# Allegro board 1151864-PCIE3_0_X16-166-20240802_20240815_2000_pcb.brd (continued)
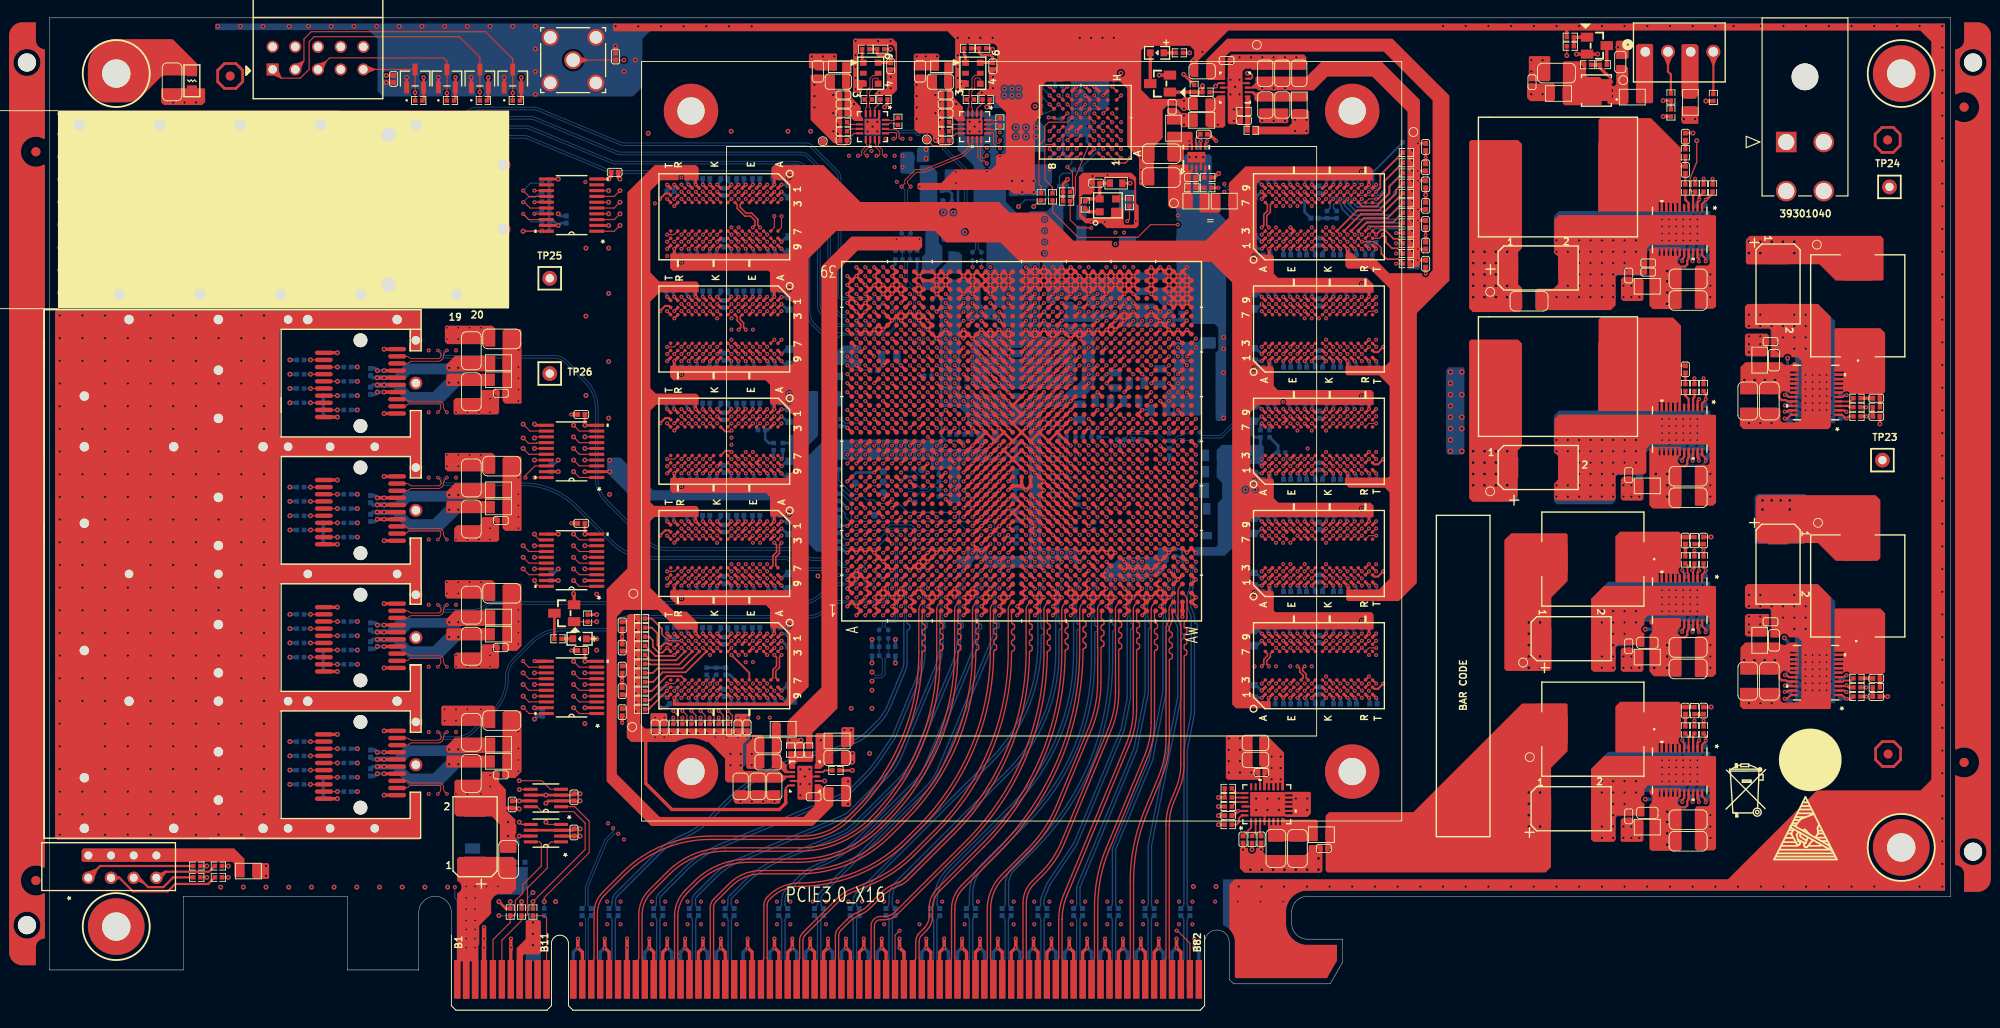
[diagram p0: board, top side]
## Routing (per net, layer and track width the routed paths; a pad name or vN(x,y) marks a point on that pad's centre or on a via; arc(x,y) is an arc through that point) (continued)
FPGA_SFP_CLK_156P25M_N: length 1.5
  TOP w0.127: U1.N6 v1(101.32,49.23)
  BOTTOM w0.102: C13.2 100.83,48.74 v1(101.32,49.23)
FPGA_SFP_CLK_156P25M_P: length 1.4
  TOP w0.127: U1.N7 v1(101.32,50.23)
  BOTTOM w0.102: C12.2 100.85,49.76 v1(101.32,50.23)
FPGA_SFP_RX_0_N: length 105.4
  TOP w0.102: P1.A12 39.68,67.64 arc(39.85,67.67) 39.99,67.77 40,67.78 arc(40.15,67.88) 40.31,67.91 43.65,67.91 arc(43.71,67.9) 43.76,67.87 43.77,67.85 arc(43.8,67.8) 43.81,67.75 43.81,67.52 arc(43.77,67.32) 43.66,67.14 v4(43.48,66.97)
  TOP w0.127: U1.B3 v1(90.32,46.23)
  ART12 w0.084: v1(90.32,46.23) 90.32,46.54 arc(90.29,46.61) 90.23,46.64 90.21,46.64 arc(90.12,46.62) 90.05,46.57 90.02,46.54 arc(89.96,46.44) 89.93,46.33 89.93,43.88 arc(89.94,43.84) 89.97,43.8 89.98,43.79 arc(90,43.75) 90.01,43.71 90.01,37.68 arc(89.99,37.43) 89.92,37.19 88.2,33.05 arc(88.15,32.87) 88.13,32.69 88.13,25.74 arc(88.03,25.25) 87.76,24.84 85.59,22.67 arc(85.18,22.4) 84.69,22.3 72.23,22.3 arc(68.62,23.02) 65.56,25.06 57.6,33.02 arc(56.88,34.1) 56.63,35.37 56.63,43.67 arc(56.56,44.02) 56.36,44.32 50.95,49.73 arc(50.68,50.14) 50.58,50.62 50.58,59.39 arc(50.2,61.32) 49.1,62.96 48.69,63.37 arc(47.56,64.12) 46.23,64.39 45.87,64.39 arc(44.42,64.99) 43.82,66.44 43.82,66.81 arc(43.77,66.92) 43.66,66.97 v4(43.48,66.97)
FPGA_SFP_RX_0_P: length 105.5
  TOP w0.102: v4(44.5,66.97) 44.3,67.17 arc(44.16,67.38) 44.11,67.63 44.11,67.75 arc(44.08,67.92) 43.98,68.06 43.96,68.08 arc(43.82,68.17) 43.65,68.2 40.3,68.2 arc(40.15,68.23) 40.03,68.31 40.02,68.33 arc(39.9,68.41) 39.75,68.44 P1.A13
  TOP w0.127: U1.B4 v1(90.32,47.23)
  ART12 w0.084: v1(90.32,47.23) 90.32,46.91 arc(90.3,46.85) 90.24,46.82 90.21,46.82 arc(90.05,46.79) 89.92,46.7 89.89,46.67 arc(89.78,46.51) 89.75,46.33 89.75,43.88 arc(89.74,43.84) 89.71,43.8 89.7,43.79 arc(89.68,43.75) 89.67,43.71 89.67,43.48 arc(89.64,43.43) 89.59,43.4 arc(89.53,43.38) 89.51,43.33 89.51,43.15 arc(89.53,43.09) 89.59,43.07 arc(89.64,43.05) 89.67,42.99 89.67,42.81 arc(89.64,42.76) 89.59,42.73 arc(89.53,42.71) 89.51,42.65 89.51,42.48 arc(89.53,42.42) 89.59,42.4 arc(89.64,42.38) 89.67,42.32 89.67,37.68 arc(89.65,37.5) 89.6,37.33 87.88,33.18 arc(87.81,32.94) 87.78,32.69 87.78,25.74 arc(87.71,25.38) 87.51,25.08 85.34,22.92 arc(85.04,22.72) 84.69,22.65 72.23,22.65 arc(68.75,23.34) 65.8,25.31 57.85,33.26 arc(57.2,34.23) 56.97,35.37 56.97,43.67 arc(56.88,44.16) 56.6,44.57 51.2,49.97 arc(51,50.27) 50.93,50.62 50.93,59.39 arc(50.52,61.45) 49.35,63.2 48.93,63.62 arc(47.69,64.44) 46.23,64.73 45.87,64.73 arc(44.67,65.23) 44.17,66.44 44.17,66.81 arc(44.21,66.92) 44.32,66.97 v4(44.5,66.97)
FPGA_SFP_RX_1_N: length 96.4
  TOP w0.102: v4(43.48,52.72) 43.66,52.89 arc(43.77,53.07) 43.81,53.27 43.81,53.5 arc(43.8,53.55) 43.77,53.6 43.76,53.62 arc(43.71,53.65) 43.65,53.66 40.36,53.66 arc(40.2,53.63) 40.05,53.53 40.04,53.52 arc(39.9,53.42) 39.73,53.39 P1.B12
  TOP w0.127: U1.C1 v1(91.32,44.23)
  ART12 w0.084: v1(91.32,44.23) 91.24,44.23 arc(91.19,44.21) 91.17,44.15 91.17,43.67 arc(91.2,43.6) 91.27,43.57 arc(91.33,43.54) 91.36,43.47 91.36,43.33 arc(91.33,43.26) 91.27,43.23 arc(91.2,43.21) 91.17,43.14 91.17,43 arc(91.2,42.93) 91.27,42.9 arc(91.33,42.87) 91.36,42.8 91.36,42.66 arc(91.33,42.59) 91.27,42.56 arc(91.2,42.54) 91.17,42.47 91.17,23.54 arc(91.07,23.06) 90.79,22.65 89.32,21.17 arc(88.91,20.9) 88.42,20.8 73.03,20.8 arc(67.88,21.83) 63.51,24.74 56.01,32.24 arc(55.62,32.83) 55.48,33.53 55.48,42.78 arc(55.41,43.13) 55.21,43.43 48.7,49.94 arc(48.4,50.15) 48.05,50.22 45.09,50.22 arc(44.19,50.59) 43.82,51.49 43.82,52.63 arc(43.8,52.69) 43.74,52.72 v4(43.48,52.72)
FPGA_SFP_RX_1_P: length 96.4
  TOP w0.102: P1.B13 39.83,54.19 arc(39.97,54.16) 40.1,54.08 40.11,54.06 arc(40.23,53.98) 40.37,53.95 43.65,53.95 arc(43.82,53.92) 43.96,53.83 43.98,53.81 arc(44.08,53.67) 44.11,53.5 44.11,53.38 arc(44.16,53.13) 44.3,52.92 v4(44.5,52.72)
  TOP w0.127: U1.C2 v1(91.32,45.23)
  ART12 w0.084: v4(44.5,52.72) 44.25,52.72 arc(44.19,52.69) 44.17,52.63 44.17,51.49 arc(44.44,50.83) 45.09,50.56 48.05,50.56 arc(48.53,50.46) 48.95,50.19 55.46,43.68 arc(55.73,43.27) 55.83,42.78 55.83,33.53 arc(55.94,32.96) 56.26,32.49 63.76,24.99 arc(68.01,22.15) 73.03,21.15 88.42,21.15 arc(88.78,21.22) 89.08,21.42 90.55,22.89 arc(90.75,23.19) 90.82,23.54 90.82,44.38 arc(90.88,44.7) 91.07,44.97 v1(91.32,45.23)
FPGA_SFP_RX_2_N: length 87.8
  TOP w0.102: P1.C12 39.9,39.14 arc(40.07,39.17) 40.22,39.27 40.23,39.28 arc(40.37,39.38) 40.54,39.41 43.65,39.41 arc(43.71,39.4) 43.76,39.37 43.77,39.35 arc(43.8,39.3) 43.81,39.25 43.81,39.02 arc(43.77,38.82) 43.66,38.64 v4(43.48,38.47)
  TOP w0.127: U1.E1 v1(93.32,44.23)
  ART12 w0.084: v4(43.48,38.47) 43.74,38.47 arc(43.8,38.44) 43.82,38.38 43.82,37.71 arc(44.11,37) 44.82,36.7 46.58,36.7 arc(48.08,36.4) 49.35,35.56 63.28,21.63 arc(66.01,19.8) 69.23,19.16 88.33,19.16 arc(90.04,19.5) 91.49,20.47 91.93,20.91 arc(92.84,22.28) 93.17,23.9 93.17,43.08 arc(93.22,43.2) 93.33,43.25 arc(93.45,43.3) 93.5,43.41 93.5,43.42 arc(93.45,43.54) 93.33,43.58 arc(93.22,43.63) 93.17,43.75 93.17,44.15 arc(93.19,44.21) 93.24,44.23 v1(93.32,44.23)
FPGA_SFP_RX_2_P: length 87.9
  TOP w0.102: v4(44.5,38.47) 44.3,38.67 arc(44.16,38.88) 44.11,39.13 44.11,39.25 arc(44.08,39.42) 43.98,39.56 43.96,39.58 arc(43.82,39.67) 43.65,39.7 40.5,39.7 arc(40.36,39.73) 40.24,39.81 40.22,39.83 arc(40.1,39.91) 39.96,39.94 P1.C13
  TOP w0.127: U1.E2 v1(93.32,45.23)
  ART12 w0.084: v1(93.32,45.23) 93.07,44.97 arc(92.88,44.7) 92.82,44.38 92.82,23.9 arc(92.53,22.41) 91.68,21.15 91.24,20.71 arc(89.91,19.82) 88.33,19.51 69.23,19.51 arc(66.14,20.12) 63.52,21.87 49.59,35.8 arc(48.21,36.72) 46.58,37.05 44.82,37.05 arc(44.36,37.24) 44.17,37.71 44.17,38.38 arc(44.19,38.44) 44.25,38.47 v4(44.5,38.47)
FPGA_SFP_RX_3_N: length 87.1
  TOP w0.102: v4(43.48,24.22) 43.66,24.39 arc(43.77,24.57) 43.81,24.77 43.81,25 arc(43.8,25.05) 43.77,25.1 43.76,25.12 arc(43.71,25.15) 43.65,25.16 40.52,25.16 arc(40.35,25.13) 40.2,25.03 40.19,25.02 arc(40.05,24.92) 39.88,24.89 P1.D12
  TOP w0.127: U1.G1 v1(95.32,44.23)
  ART12 w0.084: v1(95.32,44.23) 95.23,44.23 arc(95.17,44.2) 95.15,44.14 95.15,43.53 arc(95.17,43.26) 95.25,43.01 95.33,42.81 arc(95.42,42.72) 95.55,42.72 arc(95.67,42.72) 95.76,42.64 95.76,42.63 arc(95.76,42.5) 95.67,42.41 arc(95.59,42.33) 95.59,42.2 95.69,41.94 95.7,41.92 95.79,41.7 95.79,41.67 95.89,41.2 arc(95.9,41.07) 95.91,40.95 95.91,24.07 arc(95.53,22.15) 94.44,20.53 93.28,19.37 arc(90.72,17.66) 87.69,17.05 51.58,17.05 arc(49.51,17.47) 47.75,18.64 44.19,22.2 arc(43.92,22.61) 43.82,23.1 43.82,24.13 arc(43.8,24.19) 43.74,24.22 v4(43.48,24.22)
FPGA_SFP_RX_3_P: length 87.1
  TOP w0.102: P1.D13 39.96,25.69 arc(40.1,25.66) 40.22,25.58 40.24,25.56 arc(40.36,25.48) 40.5,25.45 43.65,25.45 arc(43.82,25.42) 43.96,25.33 43.98,25.31 arc(44.08,25.17) 44.11,25 44.11,24.88 arc(44.16,24.63) 44.3,24.42 v4(44.5,24.22)
  TOP w0.127: U1.G2 v1(95.32,45.23)
  ART12 w0.084: v1(95.32,45.23) 95.06,44.96 arc(94.87,44.68) 94.8,44.35 94.8,43.53 arc(94.84,43.19) 94.93,42.87 95.37,41.82 95.38,41.8 95.44,41.66 95.45,41.63 95.55,41.13 arc(95.56,41.04) 95.56,40.95 95.56,24.07 arc(95.21,22.29) 94.2,20.77 93.04,19.61 arc(90.59,17.97) 87.69,17.4 51.58,17.4 arc(49.64,17.78) 48,18.88 44.44,22.44 arc(44.24,22.74) 44.17,23.1 44.17,24.13 arc(44.19,24.19) 44.25,24.22 v4(44.5,24.22)
FPGA_SFP_TX_0_N: length 68.9
  TOP w0.102: v4(43.48,73.9) 43.72,73.67 arc(43.81,73.54) 43.84,73.37 43.84,73.3 arc(43.82,73.19) 43.76,73.09 43.73,73.07 arc(43.64,73.01) 43.52,72.98 40.58,72.98 arc(40.42,73.02) 40.29,73.1 40.27,73.12 arc(40.14,73.21) 39.99,73.24 P1.A19
  TOP w0.127: U1.A6 v1(89.32,49.23)
  BOTTOM w0.102: v1(89.32,49.23) 89.32,49.48 arc(89.29,49.55) 89.22,49.58 89,49.58 arc(88.71,49.64) 88.46,49.81 88.18,50.08 arc(88.1,50.16) 88.01,50.22 arc(87.76,50.33) 87.49,50.37 85.48,50.37 arc(84.99,50.46) 84.58,50.74 84.09,51.23 arc(83.88,51.39) 83.62,51.49 arc(83.59,51.49) 83.57,51.5 arc(83.49,51.51) 83.41,51.51 69,51.51 arc(67.86,51.71) 66.86,52.3 arc(66.75,52.39) 66.66,52.48 62.21,56.93 arc(61.41,58.14) 61.12,59.56 61.12,67.43 arc(60.81,69) 59.92,70.33 57.67,72.58 arc(57.17,72.92) 56.57,73.04 44.29,73.04 arc(43.98,73.17) 43.85,73.48 43.85,73.8 arc(43.82,73.88) 43.74,73.9 v4(43.48,73.9)
FPGA_SFP_TX_0_P: length 68.9
  TOP w0.102: P1.A18 39.99,72.44 arc(40.14,72.47) 40.27,72.56 40.29,72.57 arc(40.42,72.66) 40.57,72.69 43.52,72.69 arc(43.75,72.73) 43.94,72.86 43.96,72.88 arc(44.09,73.07) 44.14,73.3 44.14,73.31 arc(44.18,73.52) 44.3,73.7 v4(44.5,73.9)
  TOP w0.127: U1.A7 v1(89.32,50.23)
  BOTTOM w0.102: v4(44.5,73.9) 44.24,73.9 arc(44.17,73.88) 44.14,73.8 44.14,73.48 arc(44.18,73.37) 44.29,73.33 56.57,73.33 arc(57.28,73.19) 57.88,72.79 60.13,70.54 arc(61.08,69.11) 61.42,67.43 61.42,59.56 arc(61.68,58.25) 62.42,57.14 66.87,52.69 arc(66.95,52.61) 67.05,52.53 arc(67.96,51.99) 69,51.81 83.41,51.81 arc(83.51,51.8) 83.62,51.79 arc(83.65,51.78) 83.68,51.77 arc(83.73,51.76) 83.77,51.75 arc(84.06,51.63) 84.3,51.43 84.79,50.95 arc(85.11,50.74) 85.48,50.66 87.49,50.66 arc(87.98,50.57) 88.39,50.29 88.67,50.01 arc(88.82,49.91) 89,49.88 89.22,49.88 arc(89.29,49.91) 89.32,49.98 v1(89.32,50.23)
FPGA_SFP_TX_1_N: length 59.4
  TOP w0.102: v4(43.48,59.65) 43.72,59.42 arc(43.81,59.29) 43.84,59.12 43.84,59.05 arc(43.82,58.94) 43.76,58.84 43.73,58.82 arc(43.64,58.76) 43.52,58.73 40.58,58.73 arc(40.42,58.77) 40.29,58.85 40.27,58.87 arc(40.14,58.96) 39.99,58.99 P1.B19
  TOP w0.127: U1.C6 v1(91.32,49.23)
  BOTTOM w0.102: v1(91.32,49.23) 91.32,49.53 arc(91.29,49.6) 91.22,49.63 91.08,49.63 arc(90.97,49.58) 90.92,49.48 90.92,49.13 arc(90.78,48.77) 90.42,48.63 88.8,48.63 88.75,48.58 88.41,48.58 arc(88.16,48.61) 87.92,48.68 86.76,49.16 arc(86.57,49.22) 86.38,49.24 85.17,49.24 arc(84.34,49.39) 83.62,49.84 arc(83.58,49.87) 83.54,49.91 83.54,49.91 arc(83.48,49.97) 83.43,50.02 arc(82.82,50.37) 82.13,50.5 67.23,50.5 arc(67.04,50.5) 66.86,50.51 arc(64.71,51.04) 62.89,52.29 58.82,56.36 arc(56.16,58.14) 53.03,58.76 44.43,58.76 arc(44.02,58.93) 43.85,59.34 43.85,59.55 arc(43.82,59.63) 43.74,59.65 v4(43.48,59.65)
FPGA_SFP_TX_1_P: length 59.4
  TOP w0.102: v4(44.5,59.65) 44.3,59.45 arc(44.18,59.27) 44.14,59.06 44.14,59.05 arc(44.09,58.82) 43.96,58.63 43.94,58.61 arc(43.75,58.48) 43.52,58.44 40.57,58.44 arc(40.42,58.41) 40.29,58.32 40.27,58.31 arc(40.14,58.22) 39.99,58.19 38.93,58.19 P1.B18
  TOP w0.127: U1.C7 v1(91.32,50.23)
  BOTTOM w0.102: v4(44.5,59.65) 44.24,59.65 arc(44.17,59.63) 44.14,59.55 44.14,59.34 arc(44.22,59.14) 44.43,59.05 53.03,59.05 arc(56.27,58.41) 59.02,56.57 63.09,52.5 arc(64.82,51.31) 66.86,50.8 arc(66.86,50.8) 66.87,50.8 arc(67.05,50.79) 67.23,50.79 82.13,50.79 arc(82.92,50.65) 83.62,50.24 arc(83.69,50.18) 83.75,50.12 83.75,50.12 arc(83.78,50.09) 83.82,50.05 arc(84.45,49.67) 85.17,49.53 86.38,49.53 arc(86.63,49.51) 86.87,49.43 88.01,48.96 88.04,48.95 arc(88.22,48.89) 88.41,48.88 88.75,48.88 88.8,48.83 90.42,48.83 arc(90.63,48.92) 90.72,49.13 90.72,49.48 arc(90.82,49.73) 91.08,49.83 91.22,49.83 arc(91.29,49.86) 91.32,49.93 v1(91.32,50.23)
FPGA_SFP_TX_2_N: length 57.3
  TOP w0.102: P1.C19 39.99,44.74 arc(40.14,44.71) 40.27,44.62 40.29,44.6 arc(40.42,44.52) 40.58,44.48 43.52,44.48 arc(43.64,44.51) 43.73,44.57 43.76,44.59 arc(43.82,44.69) 43.84,44.8 43.84,44.87 arc(43.81,45.04) 43.72,45.17 v4(43.48,45.41)
  TOP w0.127: U1.D4 v1(92.32,47.23)
  BOTTOM w0.102: v4(43.48,45.41) 43.74,45.41 arc(43.82,45.38) 43.85,45.3 43.85,44.98 arc(43.96,44.7) 44.24,44.59 47.51,44.59 arc(48.27,44.74) 48.91,45.17 arc(49.23,45.38) 49.6,45.45 84.11,45.45 arc(85.39,45.71) 86.48,46.43 86.98,46.94 arc(87.13,47.06) 87.3,47.15 88.01,47.45 88.16,47.51 arc(88.33,47.56) 88.51,47.58 88.82,47.58 88.87,47.63 92.22,47.63 arc(92.29,47.6) 92.32,47.53 v1(92.32,47.23)
FPGA_SFP_TX_2_P: length 57.3
  TOP w0.102: P1.C18 38.93,43.94 39.99,43.94 arc(40.14,43.97) 40.27,44.06 40.29,44.07 arc(40.42,44.16) 40.57,44.19 43.52,44.19 arc(43.75,44.23) 43.94,44.36 43.96,44.38 arc(44.09,44.57) 44.14,44.8 44.14,44.81 arc(44.18,45.02) 44.3,45.2 v4(44.5,45.41)
  TOP w0.127: U1.D5 v1(92.32,48.23)
  BOTTOM w0.102: v4(44.5,45.41) 44.24,45.41 arc(44.17,45.38) 44.14,45.3 44.14,44.98 arc(44.17,44.91) 44.24,44.88 47.51,44.88 arc(48.15,45.01) 48.7,45.38 arc(49.12,45.65) 49.6,45.75 84.11,45.75 arc(85.28,45.98) 86.27,46.64 86.78,47.15 arc(86.97,47.31) 87.19,47.43 87.62,47.61 88.05,47.79 arc(88.28,47.85) 88.51,47.88 88.82,47.88 88.87,47.83 92.22,47.83 arc(92.29,47.86) 92.32,47.93 v1(92.32,48.23)
FPGA_SFP_TX_3_N: length 67.5
  TOP w0.102: v4(43.48,31.15) 43.72,30.92 arc(43.81,30.79) 43.84,30.62 43.84,30.55 arc(43.82,30.44) 43.76,30.34 43.73,30.32 arc(43.64,30.26) 43.52,30.23 40.58,30.23 arc(40.42,30.27) 40.29,30.35 40.27,30.37 arc(40.14,30.46) 39.99,30.49 P1.D19
  TOP w0.127: U1.F4 v1(94.32,47.23)
  BOTTOM w0.102: v4(43.48,31.15) 43.74,31.15 arc(43.82,31.13) 43.85,31.05 43.85,30.73 arc(43.96,30.45) 44.25,30.33 45.43,30.33 arc(46.62,30.57) 47.64,31.24 49.87,33.48 arc(50.97,35.13) 51.36,37.07 51.36,37.35 51.36,37.35 arc(51.55,38.3) 52.09,39.11 54.1,41.12 arc(55.6,42.13) 57.38,42.48 62.22,42.48 arc(62.71,42.58) 63.12,42.85 63.53,43.26 arc(64.26,43.75) 65.11,43.92 84.97,43.92 arc(86.08,44.14) 87.02,44.76 87.55,45.3 arc(87.86,45.51) 88.23,45.58 88.65,45.58 88.69,45.63 93.44,45.63 arc(93.78,45.77) 93.92,46.11 93.92,47.48 arc(93.97,47.58) 94.07,47.63 94.22,47.63 arc(94.29,47.6) 94.32,47.53 v1(94.32,47.23)
FPGA_SFP_TX_3_P: length 67.5
  TOP w0.102: v4(44.5,31.15) 44.3,30.95 arc(44.18,30.77) 44.14,30.56 44.14,30.55 arc(44.09,30.32) 43.96,30.13 43.94,30.11 arc(43.75,29.98) 43.52,29.94 40.57,29.94 arc(40.42,29.91) 40.29,29.82 40.27,29.81 arc(40.14,29.72) 39.99,29.69 P1.D18
  TOP w0.127: U1.F5 v1(94.32,48.23)
  BOTTOM w0.102: v4(44.5,31.15) 44.24,31.15 arc(44.17,31.13) 44.14,31.05 44.14,30.73 arc(44.17,30.65) 44.25,30.62 45.43,30.62 arc(46.51,30.84) 47.43,31.45 49.66,33.69 arc(50.7,35.24) 51.06,37.07 51.06,37.55 51.07,37.55 arc(51.32,38.51) 51.88,39.32 53.89,41.33 arc(55.49,42.4) 57.38,42.77 62.22,42.77 arc(62.6,42.85) 62.91,43.06 63.32,43.47 arc(64.14,44.02) 65.11,44.21 84.97,44.21 arc(85.96,44.41) 86.81,44.97 87.43,45.6 arc(87.7,45.78) 88.01,45.87 arc(88.06,45.88) 88.11,45.88 88.65,45.88 88.69,45.83 93.44,45.83 arc(93.64,45.91) 93.72,46.11 93.72,47.48 arc(93.82,47.73) 94.07,47.83 94.22,47.83 arc(94.29,47.86) 94.32,47.93 v1(94.32,48.23)
FPGA_TCK: length 173.6
  TOP w0.127: U1.Y10 v1(109.32,53.23) ; J1.1 25.96,104.41 28.09,104.41 29.08,105.4 29.08,108.48 29.64,109.04 45.87,109.04 48.18,106.73 D4.3 v2(48.18,102.84) R10.2
  ART10 w0.086: v2(48.18,102.84) 48.69,103.35 52.48,103.35 61.21,94.61 61.21,47.55 60.68,47.02 60.68,40.01 61.34,39.34 61.34,35.86 65.33,31.88 81.36,31.88 81.97,32.49 97.42,32.49 107.86,42.93 107.86,51.77 v1(109.32,53.23)
FPGA_TDI: length 162
  TOP w0.127: R7.2 v2(40.94,102.79) D1.3 40.94,105.38 J1.9 ; U1.AC9 v1(112.32,52.23)
  ART10 w0.086: v1(112.32,52.23) 112.32,52 112.74,51.59 112.74,50.93 112.58,50.77 112.04,50.77 111.93,50.67 111.93,43.21 99.43,30.71 87.91,30.71 87.55,31.06 61.8,31.06 59.26,33.6 59.26,94.65 53.48,100.43 48.23,100.43 45.34,103.33 41.48,103.33 v2(40.94,102.79)
FPGA_TDO: length 171.2
  TOP w0.127: U1.Y9 v1(109.32,52.23) ; R9.2 v2(51.87,102.74) D3.3 51.87,106.55 48.82,109.6 29.31,109.6 28.5,108.79 28.5,106.34 J1.3
  ART10 w0.086: v1(109.32,52.23) 108.91,51.82 108.91,42.91 98.08,32.08 82.17,32.08 81.53,31.45 62.15,31.45 60.76,32.84 60.76,39.34 60.1,40.01 60.1,47.19 60.76,47.85 60.76,93.85 v2(51.87,102.74)
FPGA_TMS: length 171.8
  TOP w0.127: R8.2 v2(44.5,102.72) D2.3 44.5,106.31 44.15,106.67 31.37,106.67 J1.5 ; U1.AD10 v1(113.32,53.23)
  ART10 w0.086: v2(44.5,102.72) 47.24,99.97 53.05,99.97 57.91,95.11 57.91,33.35 61.77,29.49 99.38,29.49 112.9,43.02 112.9,50.55 113.08,50.72 113.56,50.72 113.73,50.89 113.73,52.88 113.38,53.23 v1(113.32,53.23)
FPGA_VCCINT_0V85: length 207
  TOP w0.305: U1.W24 U1.Y25 v1(109.32,69.23) ; U1.W24 U1.Y23 ; U1.W24 v1(107.32,68.23) U1.V25 v1(106.32,69.23) ; U1.AF13 v1(114.32,57.23) U1.AE14 v1(113.32,58.23) U1.AD15 v1(112.32,59.23) U1.AC16 v1(111.32,60.23) U1.AB17 v1(110.32,61.23) U1.AA18 v1(109.32,62.23) U1.Y19 U1.W18 ; v1(102.32,60.23) U1.P17 v1(103.32,61.23) U1.R18 v1(104.32,62.23) U1.T19 v1(105.32,63.23) U1.U20 ; v1(114.32,66.23) U1.AE22 v1(113.32,65.23) U1.AD21 ; U1.AC20 U1.AD21 ; U1.AC20 U1.AB21 ; U1.AC20 v1(112.32,63.23) U1.AD19 v1(113.32,62.23) U1.AE18 v1(114.32,61.23) U1.AF17 v1(115.32,60.23) ; U1.AD21 U1.AE20 v1(114.32,63.23) ; U1.U20 U1.T21 ; U1.U20 U1.V21 ; v1(109.32,54.23) U1.Y11 U1.W12 ; U1.Y21 U1.W22 ; U1.Y21 U1.W20 ; U1.Y21 U1.AA20 ; U1.Y21 v1(109.32,65.23) U1.AA22 v1(110.32,66.23) U1.AB23 v1(111.32,67.23) U1.AC24 v1(112.32,68.23) U1.AD25 v1(113.32,69.23) ; U1.W22 U1.Y23 ; U1.W22 v1(107.32,66.23) U1.V23 v1(106.32,67.23) U1.U24 v1(105.32,68.23) U1.T25 v1(104.32,69.23) ; U1.Y13 v1(109.32,56.23) U1.AA12 v1(110.32,55.23) U1.AB11 v1(111.32,54.23) U1.AC10 v1(112.32,53.23) U1.AD9 v1(113.32,52.23) ; U1.Y13 U1.W12 ; U1.Y13 U1.W14 v1(107.32,57.23) U1.V13 v1(106.32,56.23) U1.U12 v1(105.32,55.23) U1.T11 v1(104.32,54.23) U1.R10 v1(103.32,53.23) ; U1.W12 v1(107.32,55.23) U1.V11 v1(106.32,54.23) U1.U10 v1(105.32,53.23) U1.T9 v1(104.32,52.23) ; U1.AF25 v1(114.32,68.23) U1.AE24 v1(113.32,67.23) U1.AD23 v1(112.32,66.23) U1.AC22 v1(111.32,65.23) U1.AB21 ; U1.V19 v1(107.32,63.23) U1.W20 ; U1.V19 v1(106.32,62.23) U1.U18 v1(105.32,61.23) U1.T17 v1(104.32,60.23) U1.R16 v1(103.32,59.23) U1.P15 v1(102.32,58.23) ; U1.V19 U1.W18 ; U1.AA20 U1.AB21 ; U1.AA20 v1(110.32,63.23) U1.AB19 v1(111.32,62.23) U1.AC18 v1(112.32,61.23) U1.AD17 v1(113.32,60.23) U1.AE16 v1(114.32,59.23) ; U1.T21 v1(104.32,65.23) U1.R22 v1(103.32,66.23) ; U1.T21 U1.R20 v1(103.32,63.23) U1.P19 v1(102.32,62.23) ; U1.Y23 v1(109.32,67.23) U1.AA24 v1(110.32,68.23) U1.AB25 v1(111.32,69.23) ; v1(109.32,60.23) U1.Y17 U1.W18 ; v1(102.32,56.23) U1.P13 v1(103.32,57.23) U1.R14 v1(104.32,58.23) U1.T15 v1(105.32,59.23) U1.U16 v1(106.32,60.23) U1.V17 v1(107.32,61.23) U1.W18 ; U1.AF11 v1(114.32,55.23) U1.AE12 v1(113.32,56.23) U1.AD13 v1(112.32,57.23) U1.AC14 ; U1.W20 U1.V21 ; v1(103.32,55.23) U1.R12 v1(104.32,56.23) U1.T13 v1(105.32,57.23) U1.U14 v1(106.32,58.23) U1.V15 ; v1(114.32,53.23) U1.AE10 v1(113.32,54.23) U1.AD11 v1(112.32,55.23) U1.AC12 v1(111.32,56.23) U1.AB13 v1(110.32,57.23) U1.AA14 ; U1.V9 v1(107.32,53.23) ; U1.V21 v1(106.32,65.23) U1.U22 v1(105.32,66.23) U1.T23 v1(104.32,67.23) U1.R24 v1(103.32,68.23) ; U1.AB9 v1(111.32,52.23) ; R226.1 v1(186.15,93.13)
  ART03 w0.381: v1(186.15,93.13) 186.15,93.48 178.99,100.63 159.79,100.63 159.13,99.97 159.13,85.18 v3(159.35,84.96)
  BOTTOM w0.305: v1(113.32,58.23) C58.1 v1(112.32,57.23) ; v1(113.32,65.23) 112.89,65.66 C60.1 112.82,65.73 v1(112.32,66.23) ; v1(114.32,66.23) 114.38,66.17 C56.1 ; v1(113.32,54.23) U1.AD11 v1(112.32,55.23) ; v1(103.32,57.23) C486.1 v1(102.32,58.23) ; v1(105.32,59.23) U1.U16 v1(106.32,60.23) ; v1(113.32,62.23) C40.1 v1(112.32,61.23) ; v1(103.32,61.23) U1.P17 v1(102.32,60.23) ; v1(105.32,57.23) U1.U14 v1(106.32,58.23) ; C37.1 105.9,64.81 v1(106.32,65.23) ; R13.2 108.13,52.28 107.32,53.09 v1(107.32,53.23) ; v1(106.32,62.23) U1.V19 v1(107.32,63.23) ; v1(106.32,56.23) U1.U12 v1(105.32,55.23) ; v1(112.32,59.23) C484.1 v1(113.32,60.23) ; v1(113.32,52.23) 112.88,52.67 C61.1 U1.AD9 v1(112.32,53.23)
  vias: v1(115.32,83.23) v1(116.32,83.23) v1(118.32,83.23) v1(119.32,87.11) v1(119.32,85.84) v1(119.32,83.23) v1(120.29,87.11) v1(120.32,83.23) v1(121.32,83.23) v1(125.32,69.23) v1(125.32,68.23) v1(126.32,70.23) v1(126.32,69.23) v1(128.32,74.23) v3(159.35,83.69) v3(159.35,82.42) v3(159.35,81.15) v3(159.35,79.88) v3(160.62,84.96) v3(160.62,83.69) v3(160.62,82.42) v3(160.62,81.15) v3(160.62,79.88) v3(161.89,84.96) v3(161.89,83.69) v3(161.89,82.42) v3(161.89,81.15) v3(161.89,79.88) v3(163.16,84.96) v3(163.16,81.15) v3(163.16,79.88)
FPGA_VCCINT_PG: length 60.9
  TOP w0.152: R218.2 183.79,91.69 183.64,91.85 183.64,93.22 184.38,95 v2(184.38,97.4)
  TOP w0.254: R218.2 184.2,91.53 183.97,91.3 U24.3 ; v1(184.64,49.27) 184.64,49.2 184.47,49.03 U25.2
  ART03 w0.254: v1(184.64,49.27) 184.64,49.84 184.91,50.11 186.41,50.11 187.76,51.46 187.76,94.02 v2(184.38,97.4)
MGTAVCC: length 55.5
  TOP w0.305: U1.Y5 v1(109.32,48.23) ; U1.AE35 v1(113.32,79.23) ; U1.AK34 v1(119.32,78.23) ; R245.2 v1(203.35,35.13) ; U1.AH7 v1(117.32,50.23) ; U1.Y7 v1(109.32,50.23) ; U1.AD33 v1(113.32,77.23) ; U1.Y33 v1(109.32,77.23) ; U1.AE5 v1(114.32,48.23) ; U1.T7 v1(104.32,50.23) ; U1.M33 v1(100.32,77.23) ; U1.AH33 v1(117.32,77.23) ; U1.Y35 v1(109.32,79.23) ; U1.T33 v1(104.32,77.23) ; U1.AK6 v1(118.32,50.23) ; U1.AD7 v1(113.32,50.23) ; U1.M7 v1(100.32,50.23) ; U1.K6 v1(98.32,49.23) ; U1.K34 v1(98.32,78.23)
  ART03 w0.381: v3(194.79,57.1) 204.78,57.1 208.11,53.77 208.11,39.54 203.7,35.13 v1(203.35,35.13)
  BOTTOM w0.305: v1(100.32,50.23) 100.82,50.73 C70.1 ; C69.1 U1.K34 v1(98.32,78.23) ; U1.AE5 v1(114.32,48.23) ; C470.1 v1(113.32,50.23) ; U1.T33 v1(104.32,77.23) ; U1.AH7 v1(117.32,50.23) ; U1.Y5 v1(109.32,48.23) ; C471.1 v1(104.32,50.23) ; C73.1 v1(98.32,49.23)
  vias: v3(191.74,57.1) v3(191.74,56.09) v3(192.76,57.1) v3(193.77,57.1) v3(194.79,56.09)
MGTAVCC_PG: length 25.8
  TOP w0.254: R243.2 201.38,36.15 v1(201.14,36.39) 201.05,36.3 U26.3 ; v1(184.64,30.22) 184.64,30.15 184.47,29.98 U27.2
  ART03 w0.305: v1(201.14,36.39) 201.61,36.39 202.08,35.92 202.08,33.3 200.08,31.29 184.95,31.29 184.64,30.99 v1(184.64,30.22)
MGTAVTT: length 40.6
  TOP w0.305: U1.W4 v1(107.32,47.23) ; U1.AV7 v1(127.32,50.23) ; U1.AC35 v1(112.32,79.23) ; U1.AC5 v1(112.32,48.23) ; U1.L35 v1(99.32,78.23) ; U1.AT6 v1(124.32,49.23) U1.AR5 ; U1.AN5 v1(122.32,48.23) ; U1.AL35 v1(120.32,79.23) ; U1.J5 v1(97.32,48.23) ; U1.AA4 v1(110.32,47.23) ; U1.G5 v1(95.32,48.23) ; U1.J35 v1(97.32,79.23) ; U1.E35 v1(93.32,79.23) ; U1.N35 v1(102.32,79.23) ; U1.D34 v1(92.32,78.23) ; v1(118.32,48.23) U1.AJ5 v1(118.32,49.23) ; U1.AL5 v1(120.32,48.23) ; U1.AJ35 v1(118.32,79.23) ; U1.L5 v1(99.32,48.23) ; U1.B33 v1(90.32,77.23) ; U1.N5 v1(101.32,48.23) ; U1.U35 v1(105.32,79.23) ; U1.U5 v1(105.32,48.23) ; U1.B7 v1(90.32,50.23) ; U1.AA36 v1(110.32,80.23) ; U1.R5 v1(103.32,48.23) ; U1.G35 v1(96.32,79.23) ; U1.AG5 v1(116.32,49.23) ; U1.AR35 v1(124.32,78.23) ; U1.D6 v1(92.32,49.23) ; U1.W36 v1(107.32,80.23) ; U1.AN35 v1(121.32,79.23) ; U1.E5 v1(93.32,48.23) ; U1.R35 v1(103.32,79.23) ; U1.AG35 v1(116.32,79.23) ; U1.AV33 v1(127.32,77.23) ; U1.AT34 v1(125.32,78.23)
  BOTTOM w0.254: v1(127.32,50.23) 127.32,50.49 126.78,51.03 126.78,51.44 126.57,51.65 R33.2 125.91,51.71 125.22,51.71
  BOTTOM w0.305: U1.G35 v1(96.32,79.23) ; v1(97.32,79.23) 97.79,78.76 C478.1 ; U1.AA4 v1(110.32,47.23) ; U1.W4 v1(107.32,47.23) ; v1(93.32,48.23) 92.88,48.67 C475.1 92.82,48.73 v1(92.32,49.23) ; C79.1 v1(105.32,48.23) ; v1(99.32,78.23) 98.89,78.66 C87.1 ; C77.1 v1(99.32,48.23) ; C88.1 v1(93.32,79.23) ; C479.1 v1(90.32,77.23) ; U1.G5 v1(95.32,48.23)
  BOTTOM w0.381: 125.92,77.32 R32.2 127.22,77.32 v1(127.32,77.23)
  vias: v2(136.79,28.4) v2(136.79,27.13) v2(136.79,25.86) v2(137.81,28.4) v2(137.81,27.13) v2(137.81,25.86)
MGTVCCAUX: length 7.1
  TOP w0.305: U1.AB7 v1(111.32,50.23) ; U1.V33 v1(106.32,77.23) ; U1.V7 v1(106.32,50.23) ; U1.AF33 v1(114.32,76.23) ; U1.AF7 v1(115.32,50.23) ; U1.P7 v1(102.32,50.23) ; U1.P33 v1(103.32,77.23) ; U1.AB33 v1(111.32,77.23)
  BOTTOM w0.305: v1(115.32,50.23) 115.76,50.67 C81.1 ; C89.1 U1.P33 v1(103.32,77.23)
Net_10: length 0.7
  TOP w0.127: 109.82,49.73 v1(110.32,49.23)
Net_11: length 0.7
  TOP w0.127: 109.82,50.73 v1(110.32,50.23)
Net_12: length 0.7
  TOP w0.127: 109.82,76.73 v1(110.32,77.23)
Net_13: length 0.7
  TOP w0.127: 109.82,77.73 v1(110.32,78.23)
Net_14: length 0.7
  TOP w0.127: 110.82,78.73 v1(111.32,79.23)
Net_15: length 0.7
  TOP w0.127: 110.82,79.73 v1(111.32,80.23)
Net_16: length 0.7
  TOP w0.127: 111.82,49.73 v1(112.32,49.23)
Net_17: length 0.7
  TOP w0.127: 111.82,50.73 v1(112.32,50.23)
Net_18: length 0.7
  TOP w0.127: 111.82,76.73 v1(112.32,77.23)
Net_19: length 0.7
  TOP w0.127: 111.82,77.73 v1(112.32,78.23)
Net_21: length 0.7
  TOP w0.127: 112.82,79.73 v1(113.32,80.23)
Net_28: length 0.7
  TOP w0.127: 114.82,78.73 v1(115.32,79.23)
Net_29: length 0.7
  TOP w0.127: 114.82,79.73 v1(115.32,80.23)
Net_38: length 0.7
  TOP w0.127: 115.82,77.73 v1(116.32,78.23)
Net_45: length 0.7
  TOP w0.127: 116.82,78.73 v1(117.32,79.23)
Net_46: length 0.7
  TOP w0.127: 116.82,79.73 v1(117.32,80.23)
Net_55: length 0.7
  TOP w0.127: 117.82,76.73 v1(118.32,77.23)
Net_56: length 0.7
  TOP w0.127: 117.82,77.73 v1(118.32,78.23)
Net_63: length 0.7
  TOP w0.127: 118.82,78.73 v1(119.32,79.23)
Net_65: length 0.7
  TOP w0.127: 119.82,54.73 v1(120.32,54.23)
Net_67: length 0.7
  TOP w0.127: 119.82,66.73 v1(120.32,66.23)
Net_71: length 0.7
  TOP w0.127: 120.82,55.73 v1(121.32,55.23)
Net_84: length 0.7
  TOP w0.127: 122.82,56.73 v1(123.32,56.23)
Net_89: length 0.7
  TOP w0.127: 122.82,67.73 v1(123.32,68.23)
Net_95: length 0.7
  TOP w0.127: 123.82,59.73 v1(124.32,59.23)
